# KiCad board SparkFun_IoT_RedBoard-RP2350_panelized.kicad_pcb (continued)
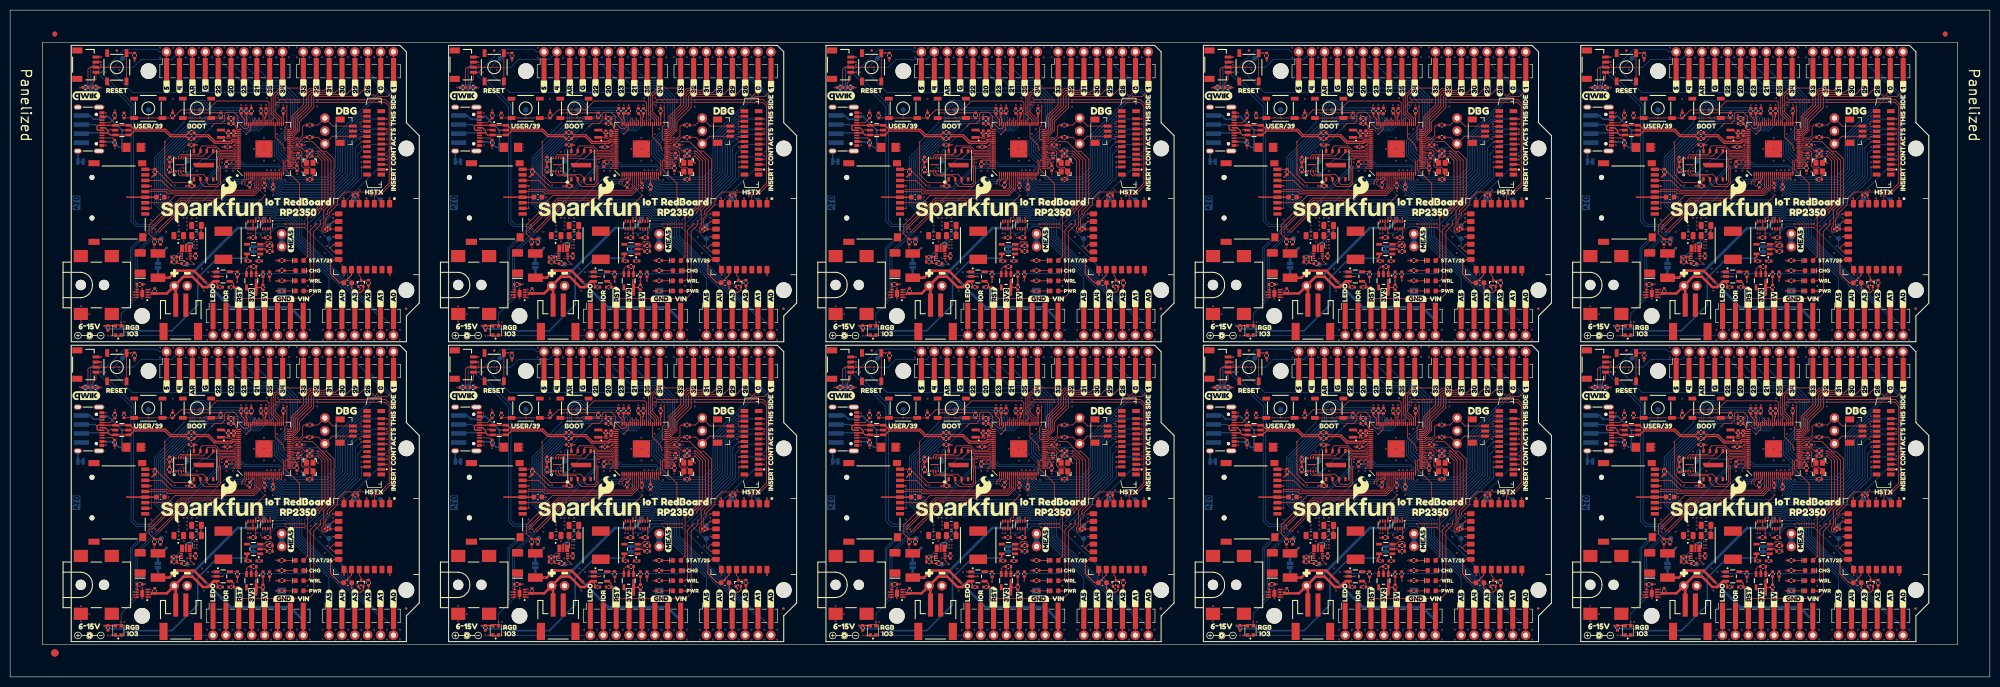
[diagram p0: board, top side]
## Placement (name value [footprint] x y rotation side) (continued)
D5  Blue  [LED_0603_1608Metric_Blue]  205.74 78.08 0 top
D5#2  Blue  [LED_0603_1608Metric_Blue]  354.46 78.08 0 top
D5#3  Blue  [LED_0603_1608Metric_Blue]  131.38 18.96 0 top
D5#4  Blue  [LED_0603_1608Metric_Blue]  57.02 78.08 0 top
D5#5  Blue  [LED_0603_1608Metric_Blue]  131.38 78.08 0 top
D5#6  Blue  [LED_0603_1608Metric_Blue]  205.74 18.96 0 top
D5#7  Blue  [LED_0603_1608Metric_Blue]  280.1 18.96 0 top
D5#8  Blue  [LED_0603_1608Metric_Blue]  354.46 18.96 0 top
D5#9  Blue  [LED_0603_1608Metric_Blue]  280.1 78.08 0 top
D5#10  Blue  [LED_0603_1608Metric_Blue]  57.02 18.96 0 top
D6  Blue  [LED_0603_1608Metric_Blue]  57.02 22.96 0 top
D6#2  Blue  [LED_0603_1608Metric_Blue]  131.38 82.08 0 top
D6#3  Blue  [LED_0603_1608Metric_Blue]  57.02 82.08 0 top
D6#4  Blue  [LED_0603_1608Metric_Blue]  131.38 22.96 0 top
D6#5  Blue  [LED_0603_1608Metric_Blue]  205.74 82.08 0 top
D6#6  Blue  [LED_0603_1608Metric_Blue]  280.1 82.08 0 top
D6#7  Blue  [LED_0603_1608Metric_Blue]  205.74 22.96 0 top
D6#8  Blue  [LED_0603_1608Metric_Blue]  280.1 22.96 0 top
D6#9  Blue  [LED_0603_1608Metric_Blue]  354.46 82.08 0 top
D6#10  Blue  [LED_0603_1608Metric_Blue]  354.46 22.96 0 top
D7  Red  [LED_0603_1608Metric_Red]  57.02 16.96 0 top
D7#2  Red  [LED_0603_1608Metric_Red]  280.1 16.96 0 top
D7#3  Red  [LED_0603_1608Metric_Red]  131.38 76.08 0 top
D7#4  Red  [LED_0603_1608Metric_Red]  205.74 16.96 0 top
D7#5  Red  [LED_0603_1608Metric_Red]  205.74 76.08 0 top
D7#6  Red  [LED_0603_1608Metric_Red]  280.1 76.08 0 top
D7#7  Red  [LED_0603_1608Metric_Red]  57.02 76.08 0 top
D7#8  Red  [LED_0603_1608Metric_Red]  131.38 16.96 0 top
D7#9  Red  [LED_0603_1608Metric_Red]  354.46 16.96 0 top
D7#10  Red  [LED_0603_1608Metric_Red]  354.46 76.08 0 top
F1  16V/2.5A/5.0A  [1812]  177.84 21.96 90 top
F1#2  16V/2.5A/5.0A  [1812]  103.48 81.08 90 top
F1#3  16V/2.5A/5.0A  [1812]  326.56 21.96 90 top
F1#4  16V/2.5A/5.0A  [1812]  103.48 21.96 90 top
F1#5  16V/2.5A/5.0A  [1812]  326.56 81.08 90 top
F1#6  16V/2.5A/5.0A  [1812]  252.2 21.96 90 top
F1#7  16V/2.5A/5.0A  [1812]  252.2 81.08 90 top
F1#8  16V/2.5A/5.0A  [1812]  29.12 81.08 90 top
F1#9  16V/2.5A/5.0A  [1812]  177.84 81.08 90 top
F1#10  16V/2.5A/5.0A  [1812]  29.12 21.96 90 top
F2  6V/0.75A/1.5A  [1206]  24.32 45.26 0 top
F2#2  6V/0.75A/1.5A  [1206]  98.68 45.26 0 top
F2#3  6V/0.75A/1.5A  [1206]  247.4 104.38 0 top
F2#4  6V/0.75A/1.5A  [1206]  24.32 104.38 0 top
F2#5  6V/0.75A/1.5A  [1206]  173.04 45.26 0 top
F2#6  6V/0.75A/1.5A  [1206]  98.68 104.38 0 top
F2#7  6V/0.75A/1.5A  [1206]  247.4 45.26 0 top
F2#8  6V/0.75A/1.5A  [1206]  173.04 104.38 0 top
F2#9  6V/0.75A/1.5A  [1206]  321.76 45.26 0 top
F2#10  6V/0.75A/1.5A  [1206]  321.76 104.38 0 top
FID1  Fiducial_0.5mm  [Fiducial_0.5mm_Mask1mm]  95.38 123.48 0 top
FID1#2  Fiducial_0.5mm  [Fiducial_0.5mm_Mask1mm]  95.38 64.36 0 top
FID1#3  Fiducial_0.5mm  [Fiducial_0.5mm_Mask1mm]  21.02 64.36 0 top
FID1#4  Fiducial_0.5mm  [Fiducial_0.5mm_Mask1mm]  169.74 123.48 0 top
FID1#5  Fiducial_0.5mm  [Fiducial_0.5mm_Mask1mm]  318.46 123.48 0 top
FID1#6  Fiducial_0.5mm  [Fiducial_0.5mm_Mask1mm]  244.1 64.36 0 top
FID1#7  Fiducial_0.5mm  [Fiducial_0.5mm_Mask1mm]  21.02 123.48 0 top
FID1#8  Fiducial_0.5mm  [Fiducial_0.5mm_Mask1mm]  244.1 123.48 0 top
FID1#9  Fiducial_0.5mm  [Fiducial_0.5mm_Mask1mm]  169.74 64.36 0 top
FID1#10  Fiducial_0.5mm  [Fiducial_0.5mm_Mask1mm]  318.46 64.36 0 top
FID2  Fiducial_0.5mm  [Fiducial_0.5mm_Mask1mm]  78.02 13.46 180 bottom
FID2#2  Fiducial_0.5mm  [Fiducial_0.5mm_Mask1mm]  301.1 13.46 180 bottom
FID2#3  Fiducial_0.5mm  [Fiducial_0.5mm_Mask1mm]  78.02 72.58 180 bottom
FID2#4  Fiducial_0.5mm  [Fiducial_0.5mm_Mask1mm]  152.38 13.46 180 bottom
FID2#5  Fiducial_0.5mm  [Fiducial_0.5mm_Mask1mm]  152.38 72.58 180 bottom
FID2#6  Fiducial_0.5mm  [Fiducial_0.5mm_Mask1mm]  226.74 13.46 180 bottom
FID2#7  Fiducial_0.5mm  [Fiducial_0.5mm_Mask1mm]  226.74 72.58 180 bottom
FID2#8  Fiducial_0.5mm  [Fiducial_0.5mm_Mask1mm]  301.1 72.58 180 bottom
FID2#9  Fiducial_0.5mm  [Fiducial_0.5mm_Mask1mm]  375.46 13.46 180 bottom
FID2#10  Fiducial_0.5mm  [Fiducial_0.5mm_Mask1mm]  375.46 72.58 180 bottom
FID3  Fiducial_0.5mm  [Fiducial_0.5mm_Mask1mm]  21.02 64.36 180 bottom
FID3#2  Fiducial_0.5mm  [Fiducial_0.5mm_Mask1mm]  21.02 123.48 180 bottom
FID3#3  Fiducial_0.5mm  [Fiducial_0.5mm_Mask1mm]  169.74 64.36 180 bottom
FID3#4  Fiducial_0.5mm  [Fiducial_0.5mm_Mask1mm]  95.38 64.36 180 bottom
FID3#5  Fiducial_0.5mm  [Fiducial_0.5mm_Mask1mm]  95.38 123.48 180 bottom
FID3#6  Fiducial_0.5mm  [Fiducial_0.5mm_Mask1mm]  169.74 123.48 180 bottom
FID3#7  Fiducial_0.5mm  [Fiducial_0.5mm_Mask1mm]  244.1 64.36 180 bottom
FID3#8  Fiducial_0.5mm  [Fiducial_0.5mm_Mask1mm]  244.1 123.48 180 bottom
FID3#9  Fiducial_0.5mm  [Fiducial_0.5mm_Mask1mm]  318.46 64.36 180 bottom
FID3#10  Fiducial_0.5mm  [Fiducial_0.5mm_Mask1mm]  318.46 123.48 180 bottom
FID4  Fiducial_0.5mm  [Fiducial_0.5mm_Mask1mm]  78.02 13.46 0 top
FID4#2  Fiducial_0.5mm  [Fiducial_0.5mm_Mask1mm]  152.38 13.46 0 top
FID4#3  Fiducial_0.5mm  [Fiducial_0.5mm_Mask1mm]  226.74 13.46 0 top
FID4#4  Fiducial_0.5mm  [Fiducial_0.5mm_Mask1mm]  78.02 72.58 0 top
FID4#5  Fiducial_0.5mm  [Fiducial_0.5mm_Mask1mm]  152.38 72.58 0 top
FID4#6  Fiducial_0.5mm  [Fiducial_0.5mm_Mask1mm]  301.1 72.58 0 top
FID4#7  Fiducial_0.5mm  [Fiducial_0.5mm_Mask1mm]  301.1 13.46 0 top
FID4#8  Fiducial_0.5mm  [Fiducial_0.5mm_Mask1mm]  375.46 13.46 0 top
FID4#9  Fiducial_0.5mm  [Fiducial_0.5mm_Mask1mm]  226.74 72.58 0 top
FID4#10  Fiducial_0.5mm  [Fiducial_0.5mm_Mask1mm]  375.46 72.58 0 top
G3  OSHW_Logo  [Creative_Commons_License]  111.71 -37.49 0 top
G***  LOGO  [qwiic_5.5mm]  15.02 55.46 0 top
G***#2  LOGO  [qwiic_5.5mm]  238.1 55.46 0 top
G***#3  LOGO  [qwiic_5.5mm]  15.02 114.58 0 top
G***#4  LOGO  [qwiic_5.5mm]  89.38 114.58 0 top
G***#5  LOGO  [qwiic_5.5mm]  163.74 55.46 0 top
G***#6  LOGO  [qwiic_5.5mm]  89.38 55.46 0 top
G***#7  LOGO  [qwiic_5.5mm]  163.74 114.58 0 top
G***#8  LOGO  [qwiic_5.5mm]  312.46 55.46 0 top
G***#9  LOGO  [qwiic_5.5mm]  312.46 114.58 0 top
G***#10  LOGO  [qwiic_5.5mm]  238.1 114.58 0 top
G***#11  LOGO  [SparkFun_Logo_20mm]  39.42 33.16 0 top
G***#12  LOGO  [SparkFun_Logo_20mm]  113.78 92.28 0 top
G***#13  LOGO  [SparkFun_Logo_20mm]  113.78 33.16 0 top
G***#14  LOGO  [SparkFun_Logo_20mm]  188.14 33.16 0 top
G***#15  LOGO  [SparkFun_Logo_20mm]  39.42 92.28 0 top
G***#16  LOGO  [SparkFun_Logo_20mm]  262.5 33.16 0 top
G***#17  LOGO  [SparkFun_Logo_20mm]  262.5 92.28 0 top
G***#18  LOGO  [SparkFun_Logo_20mm]  336.86 33.16 0 top
G***#19  LOGO  [SparkFun_Logo_20mm]  188.14 92.28 0 top
G***#20  LOGO  [SparkFun_Logo_20mm]  336.86 92.28 0 top
G***#21  Redboard  [REDBOARD_LOGO]  47.62 35.62 180 bottom
G***#22  Redboard  [REDBOARD_LOGO]  47.62 94.74 180 bottom
G***#23  Redboard  [REDBOARD_LOGO]  121.98 94.74 180 bottom
G***#24  Redboard  [REDBOARD_LOGO]  196.34 35.62 180 bottom
G***#25  Redboard  [REDBOARD_LOGO]  196.34 94.74 180 bottom
G***#26  Redboard  [REDBOARD_LOGO]  121.98 35.62 180 bottom
G***#27  Redboard  [REDBOARD_LOGO]  345.06 35.62 180 bottom
G***#28  Redboard  [REDBOARD_LOGO]  270.7 94.74 180 bottom
G***#29  Redboard  [REDBOARD_LOGO]  270.7 35.62 180 bottom
G***#30  Redboard  [REDBOARD_LOGO]  345.06 94.74 180 bottom
G***#31  LOGO  [SparkFun_Logo_20mm]  48.42 44.96 180 bottom
G***#32  LOGO  [SparkFun_Logo_20mm]  197.14 44.96 180 bottom
G***#33  LOGO  [SparkFun_Logo_20mm]  48.42 104.08 180 bottom
G***#34  LOGO  [SparkFun_Logo_20mm]  122.78 44.96 180 bottom
G***#35  LOGO  [SparkFun_Logo_20mm]  122.78 104.08 180 bottom
G***#36  LOGO  [SparkFun_Logo_20mm]  345.86 104.08 180 bottom
G***#37  LOGO  [SparkFun_Logo_20mm]  271.5 44.96 180 bottom
G***#38  LOGO  [SparkFun_Logo_20mm]  345.86 44.96 180 bottom
G***#39  LOGO  [SparkFun_Logo_20mm]  197.14 104.08 180 bottom
G***#40  LOGO  [SparkFun_Logo_20mm]  271.5 104.08 180 bottom
H1  -  [RedBoard]  195.04 36.16 0 top
H1#2  -  [RedBoard]  269.4 36.16 0 top
H1#3  -  [RedBoard]  343.76 36.16 0 top
H1#4  -  [RedBoard]  120.68 36.16 0 top
H1#5  -  [RedBoard]  46.32 95.28 0 top
H1#6  -  [RedBoard]  120.68 95.28 0 top
H1#7  -  [RedBoard]  195.04 95.28 0 top
H1#8  -  [RedBoard]  269.4 95.28 0 top
H1#9  -  [RedBoard]  343.76 95.28 0 top
H1#10  -  [RedBoard]  46.32 36.16 0 top
J1  Conn_01x08_SMD_Combined  [1x08_SMD_Combined]  346.3 71.15 90 top
J1#2  Conn_01x08_SMD_Combined  [1x08_SMD_Combined]  271.94 12.03 90 top
J1#3  Conn_01x08_SMD_Combined  [1x08_SMD_Combined]  48.86 71.15 90 top
J1#4  Conn_01x08_SMD_Combined  [1x08_SMD_Combined]  197.58 71.15 90 top
J1#5  Conn_01x08_SMD_Combined  [1x08_SMD_Combined]  123.22 71.15 90 top
J1#6  Conn_01x08_SMD_Combined  [1x08_SMD_Combined]  197.58 12.03 90 top
J1#7  Conn_01x08_SMD_Combined  [1x08_SMD_Combined]  123.22 12.03 90 top
J1#8  Conn_01x08_SMD_Combined  [1x08_SMD_Combined]  271.94 71.15 90 top
J1#9  Conn_01x08_SMD_Combined  [1x08_SMD_Combined]  346.3 12.03 90 top
J1#10  Conn_01x08_SMD_Combined  [1x08_SMD_Combined]  48.86 12.03 90 top
J2  Conn_01x06_SMD_Combined  [1x06_SMD_Combined]  69.18 12.03 90 top
J2#2  Conn_01x06_SMD_Combined  [1x06_SMD_Combined]  217.9 12.03 90 top
J2#3  Conn_01x06_SMD_Combined  [1x06_SMD_Combined]  292.26 12.03 90 top
J2#4  Conn_01x06_SMD_Combined  [1x06_SMD_Combined]  69.18 71.15 90 top
J2#5  Conn_01x06_SMD_Combined  [1x06_SMD_Combined]  143.54 12.03 90 top
J2#6  Conn_01x06_SMD_Combined  [1x06_SMD_Combined]  143.54 71.15 90 top
J2#7  Conn_01x06_SMD_Combined  [1x06_SMD_Combined]  217.9 71.15 90 top
J2#8  Conn_01x06_SMD_Combined  [1x06_SMD_Combined]  292.26 71.15 90 top
J2#9  Conn_01x06_SMD_Combined  [1x06_SMD_Combined]  366.62 12.03 90 top
J2#10  Conn_01x06_SMD_Combined  [1x06_SMD_Combined]  366.62 71.15 90 top
J3  Barrel_Jack_SMD  [Power_Jack_SMD]  13.92 18.14 0 top
J3#2  Barrel_Jack_SMD  [Power_Jack_SMD]  162.64 77.26 0 top
J3#3  Barrel_Jack_SMD  [Power_Jack_SMD]  88.29 77.26 0 top
J3#4  Barrel_Jack_SMD  [Power_Jack_SMD]  162.64 18.14 0 top
J3#5  Barrel_Jack_SMD  [Power_Jack_SMD]  13.92 77.26 0 top
J3#6  Barrel_Jack_SMD  [Power_Jack_SMD]  88.29 18.14 0 top
J3#7  Barrel_Jack_SMD  [Power_Jack_SMD]  311.37 18.14 0 top
J3#8  Barrel_Jack_SMD  [Power_Jack_SMD]  237 77.26 0 top
J3#9  Barrel_Jack_SMD  [Power_Jack_SMD]  311.37 77.26 0 top
J3#10  Barrel_Jack_SMD  [Power_Jack_SMD]  237 18.14 0 top
J4  USB_C_Receptacle  [USB-C_16]  18.43 48.87 270 top
J4#2  USB_C_Receptacle  [USB-C_16]  92.79 48.87 270 top
J4#3  USB_C_Receptacle  [USB-C_16]  241.51 48.87 270 top
J4#4  USB_C_Receptacle  [USB-C_16]  18.43 107.99 270 top
J4#5  USB_C_Receptacle  [USB-C_16]  167.15 107.99 270 top
J4#6  USB_C_Receptacle  [USB-C_16]  92.79 107.99 270 top
J4#7  USB_C_Receptacle  [USB-C_16]  315.87 107.99 270 top
J4#8  USB_C_Receptacle  [USB-C_16]  167.15 48.87 270 top
J4#9  USB_C_Receptacle  [USB-C_16]  241.51 107.99 270 top
J4#10  USB_C_Receptacle  [USB-C_16]  315.87 48.87 270 top
J5  Conn_01x04_SolderPads  [1x04_Solder_Pads]  14.02 48.87 180 bottom
J5#2  Conn_01x04_SolderPads  [1x04_Solder_Pads]  88.38 107.99 180 bottom
J5#3  Conn_01x04_SolderPads  [1x04_Solder_Pads]  14.02 107.99 180 bottom
J5#4  Conn_01x04_SolderPads  [1x04_Solder_Pads]  88.38 48.87 180 bottom
J5#5  Conn_01x04_SolderPads  [1x04_Solder_Pads]  237.1 48.87 180 bottom
J5#6  Conn_01x04_SolderPads  [1x04_Solder_Pads]  162.74 48.87 180 bottom
J5#7  Conn_01x04_SolderPads  [1x04_Solder_Pads]  162.74 107.99 180 bottom
J5#8  Conn_01x04_SolderPads  [1x04_Solder_Pads]  237.1 107.99 180 bottom
J5#9  Conn_01x04_SolderPads  [1x04_Solder_Pads]  311.46 107.99 180 bottom
J5#10  Conn_01x04_SolderPads  [1x04_Solder_Pads]  311.46 48.87 180 bottom
J6  Conn_01x02  [1x02]  32.35 17.96 0 top
J6#2  Conn_01x02  [1x02]  106.71 17.96 0 top
J6#3  Conn_01x02  [1x02]  181.07 77.08 0 top
J6#4  Conn_01x02  [1x02]  255.43 77.08 0 top
J6#5  Conn_01x02  [1x02]  32.35 77.08 0 top
J6#6  Conn_01x02  [1x02]  106.71 77.08 0 top
J6#7  Conn_01x02  [1x02]  181.07 17.96 0 top
J6#8  Conn_01x02  [1x02]  255.43 17.96 0 top
J6#9  Conn_01x02  [1x02]  329.79 77.08 0 top
J6#10  Conn_01x02  [1x02]  329.79 17.96 0 top
J7  JST_2mm_LiPo  [JST_SMD_2.0mm-2]  33.62 10.46 180 top
J7#2  JST_2mm_LiPo  [JST_SMD_2.0mm-2]  182.34 10.46 180 top
J7#3  JST_2mm_LiPo  [JST_SMD_2.0mm-2]  107.98 69.58 180 top
J7#4  JST_2mm_LiPo  [JST_SMD_2.0mm-2]  33.62 69.58 180 top
J7#5  JST_2mm_LiPo  [JST_SMD_2.0mm-2]  107.98 10.46 180 top
J7#6  JST_2mm_LiPo  [JST_SMD_2.0mm-2]  182.34 69.58 180 top
J7#7  JST_2mm_LiPo  [JST_SMD_2.0mm-2]  256.7 10.46 180 top
J7#8  JST_2mm_LiPo  [JST_SMD_2.0mm-2]  256.7 69.58 180 top
J7#9  JST_2mm_LiPo  [JST_SMD_2.0mm-2]  331.06 10.46 180 top
J7#10  JST_2mm_LiPo  [JST_SMD_2.0mm-2]  331.06 69.58 180 top
J8  Conn_01x10_SMD_Combined  [1x10_SMD_Combined]  42.26 60.3 90 top
J8#2  Conn_01x10_SMD_Combined  [1x10_SMD_Combined]  116.62 119.42 90 top
J8#3  Conn_01x10_SMD_Combined  [1x10_SMD_Combined]  42.26 119.42 90 top
J8#4  Conn_01x10_SMD_Combined  [1x10_SMD_Combined]  116.62 60.3 90 top
J8#5  Conn_01x10_SMD_Combined  [1x10_SMD_Combined]  190.98 119.42 90 top
J8#6  Conn_01x10_SMD_Combined  [1x10_SMD_Combined]  265.34 60.3 90 top
J8#7  Conn_01x10_SMD_Combined  [1x10_SMD_Combined]  190.98 60.3 90 top
J8#8  Conn_01x10_SMD_Combined  [1x10_SMD_Combined]  339.7 60.3 90 top
J8#9  Conn_01x10_SMD_Combined  [1x10_SMD_Combined]  339.7 119.42 90 top
J8#10  Conn_01x10_SMD_Combined  [1x10_SMD_Combined]  265.34 119.42 90 top
J9  Conn_01x08_SMD_Combined  [1x08_SMD_Combined]  66.67 60.3 90 top
J9#2  Conn_01x08_SMD_Combined  [1x08_SMD_Combined]  215.39 60.3 90 top
J9#3  Conn_01x08_SMD_Combined  [1x08_SMD_Combined]  289.75 60.3 90 top
J9#4  Conn_01x08_SMD_Combined  [1x08_SMD_Combined]  66.67 119.42 90 top
J9#5  Conn_01x08_SMD_Combined  [1x08_SMD_Combined]  289.75 119.42 90 top
J9#6  Conn_01x08_SMD_Combined  [1x08_SMD_Combined]  141.03 60.3 90 top
J9#7  Conn_01x08_SMD_Combined  [1x08_SMD_Combined]  141.03 119.42 90 top
J9#8  Conn_01x08_SMD_Combined  [1x08_SMD_Combined]  215.39 119.42 90 top
J9#9  Conn_01x08_SMD_Combined  [1x08_SMD_Combined]  364.11 60.3 90 top
J9#10  Conn_01x08_SMD_Combined  [1x08_SMD_Combined]  364.11 119.42 90 top
J10  Conn_01x03  [1x03]  136.38 105.08 90 top
J10#2  Conn_01x03  [1x03]  62.02 105.08 90 top
J10#3  Conn_01x03  [1x03]  136.38 45.96 90 top
J10#4  Conn_01x03  [1x03]  285.1 105.08 90 top
J10#5  Conn_01x03  [1x03]  359.46 105.08 90 top
J10#6  Conn_01x03  [1x03]  210.74 105.08 90 top
J10#7  Conn_01x03  [1x03]  285.1 45.96 90 top
J10#8  Conn_01x03  [1x03]  210.74 45.96 90 top
J10#9  Conn_01x03  [1x03]  359.46 45.96 90 top
J10#10  Conn_01x03  [1x03]  62.02 45.96 90 top
J11  Conn_01x22_FPC_0.5mm_HSTX_Vertical  [FPC_0.5mm-22_Vertical]  71.72 46.16 90 top
J11#2  Conn_01x22_FPC_0.5mm_HSTX_Vertical  [FPC_0.5mm-22_Vertical]  220.44 105.28 90 top
J11#3  Conn_01x22_FPC_0.5mm_HSTX_Vertical  [FPC_0.5mm-22_Vertical]  71.72 105.28 90 top
J11#4  Conn_01x22_FPC_0.5mm_HSTX_Vertical  [FPC_0.5mm-22_Vertical]  146.08 46.16 90 top
J11#5  Conn_01x22_FPC_0.5mm_HSTX_Vertical  [FPC_0.5mm-22_Vertical]  146.08 105.28 90 top
J11#6  Conn_01x22_FPC_0.5mm_HSTX_Vertical  [FPC_0.5mm-22_Vertical]  220.44 46.16 90 top
J11#7  Conn_01x22_FPC_0.5mm_HSTX_Vertical  [FPC_0.5mm-22_Vertical]  369.16 105.28 90 top
J11#8  Conn_01x22_FPC_0.5mm_HSTX_Vertical  [FPC_0.5mm-22_Vertical]  294.8 46.16 90 top
J11#9  Conn_01x22_FPC_0.5mm_HSTX_Vertical  [FPC_0.5mm-22_Vertical]  294.8 105.28 90 top
J11#10  Conn_01x22_FPC_0.5mm_HSTX_Vertical  [FPC_0.5mm-22_Vertical]  369.16 46.16 90 top
J12  JST_1mm_3_Vertical  [JST_SMD_1.0mm-3_Vertical]  138.48 107.58 90 top
J12#2  JST_1mm_3_Vertical  [JST_SMD_1.0mm-3_Vertical]  64.12 107.58 90 top
J12#3  JST_1mm_3_Vertical  [JST_SMD_1.0mm-3_Vertical]  287.2 48.46 90 top
J12#4  JST_1mm_3_Vertical  [JST_SMD_1.0mm-3_Vertical]  138.48 48.46 90 top
J12#5  JST_1mm_3_Vertical  [JST_SMD_1.0mm-3_Vertical]  212.84 48.46 90 top
J12#6  JST_1mm_3_Vertical  [JST_SMD_1.0mm-3_Vertical]  212.84 107.58 90 top
J12#7  JST_1mm_3_Vertical  [JST_SMD_1.0mm-3_Vertical]  361.56 48.46 90 top
J12#8  JST_1mm_3_Vertical  [JST_SMD_1.0mm-3_Vertical]  287.2 107.58 90 top
J12#9  JST_1mm_3_Vertical  [JST_SMD_1.0mm-3_Vertical]  361.56 107.58 90 top
J12#10  JST_1mm_3_Vertical  [JST_SMD_1.0mm-3_Vertical]  64.12 48.46 90 top
J13  Qwiic_RA  [JST_SMD_1.0mm-4_RA]  16.91 61.57 270 top
J13#2  Qwiic_RA  [JST_SMD_1.0mm-4_RA]  165.63 61.57 270 top
J13#3  Qwiic_RA  [JST_SMD_1.0mm-4_RA]  314.35 120.69 270 top
J13#4  Qwiic_RA  [JST_SMD_1.0mm-4_RA]  91.27 61.57 270 top
J13#5  Qwiic_RA  [JST_SMD_1.0mm-4_RA]  314.35 61.57 270 top
J13#6  Qwiic_RA  [JST_SMD_1.0mm-4_RA]  16.91 120.69 270 top
J13#7  Qwiic_RA  [JST_SMD_1.0mm-4_RA]  91.27 120.69 270 top
J13#8  Qwiic_RA  [JST_SMD_1.0mm-4_RA]  239.99 120.69 270 top
J13#9  Qwiic_RA  [JST_SMD_1.0mm-4_RA]  165.63 120.69 270 top
J13#10  Qwiic_RA  [JST_SMD_1.0mm-4_RA]  239.99 61.57 270 top
J14  microSD  [microSD_External_Pin]  16.12 34.39 270 top
J14#2  microSD  [microSD_External_Pin]  16.12 93.51 270 top
J14#3  microSD  [microSD_External_Pin]  164.84 34.39 270 top
J14#4  microSD  [microSD_External_Pin]  164.84 93.51 270 top
J14#5  microSD  [microSD_External_Pin]  90.48 34.39 270 top
J14#6  microSD  [microSD_External_Pin]  90.48 93.51 270 top
J14#7  microSD  [microSD_External_Pin]  239.2 34.39 270 top
J14#8  microSD  [microSD_External_Pin]  313.56 34.39 270 top
J14#9  microSD  [microSD_External_Pin]  239.2 93.51 270 top
J14#10  microSD  [microSD_External_Pin]  313.56 93.51 270 top
JP1  SHLD  [Jumper_2_NC_Trace]  13.87 42.46 0 bottom
JP1#2  SHLD  [Jumper_2_NC_Trace]  236.95 101.58 0 bottom
JP1#3  SHLD  [Jumper_2_NC_Trace]  236.95 42.46 0 bottom
JP1#4  SHLD  [Jumper_2_NC_Trace]  162.59 101.58 0 bottom
JP1#5  SHLD  [Jumper_2_NC_Trace]  88.23 42.46 0 bottom
JP1#6  SHLD  [Jumper_2_NC_Trace]  88.23 101.58 0 bottom
JP1#7  SHLD  [Jumper_2_NC_Trace]  162.59 42.46 0 bottom
JP1#8  SHLD  [Jumper_2_NC_Trace]  13.87 101.58 0 bottom
JP1#9  SHLD  [Jumper_2_NC_Trace]  311.31 42.46 0 bottom
JP1#10  SHLD  [Jumper_2_NC_Trace]  311.31 101.58 0 bottom
JP2  BYP  [Jumper_2_NO]  29.12 21.96 90 bottom
JP2#2  BYP  [Jumper_2_NO]  103.48 21.96 90 bottom
JP2#3  BYP  [Jumper_2_NO]  29.12 81.08 90 bottom
JP2#4  BYP  [Jumper_2_NO]  326.56 81.08 90 bottom
JP2#5  BYP  [Jumper_2_NO]  177.84 21.96 90 bottom
JP2#6  BYP  [Jumper_2_NO]  103.48 81.08 90 bottom
JP2#7  BYP  [Jumper_2_NO]  177.84 81.08 90 bottom
JP2#8  BYP  [Jumper_2_NO]  252.2 21.96 90 bottom
JP2#9  BYP  [Jumper_2_NO]  252.2 81.08 90 bottom
JP2#10  BYP  [Jumper_2_NO]  326.56 21.96 90 bottom
JP3  I^{2}C  [Jumper_3_NC-2_Trace]  15.89 57.06 0 bottom
JP3#2  I^{2}C  [Jumper_3_NC-2_Trace]  164.61 116.18 0 bottom
JP3#3  I^{2}C  [Jumper_3_NC-2_Trace]  313.33 57.06 0 bottom
JP3#4  I^{2}C  [Jumper_3_NC-2_Trace]  90.25 116.18 0 bottom
JP3#5  I^{2}C  [Jumper_3_NC-2_Trace]  90.25 57.06 0 bottom
JP3#6  I^{2}C  [Jumper_3_NC-2_Trace]  15.89 116.18 0 bottom
JP3#7  I^{2}C  [Jumper_3_NC-2_Trace]  164.61 57.06 0 bottom
JP3#8  I^{2}C  [Jumper_3_NC-2_Trace]  238.97 57.06 0 bottom
JP3#9  I^{2}C  [Jumper_3_NC-2_Trace]  238.97 116.18 0 bottom
JP3#10  I^{2}C  [Jumper_3_NC-2_Trace]  313.33 116.18 0 bottom
JP4  MEAS  [Jumper_2_PTH_SMD_Combo-NC]  53.52 26.96 270 bottom
JP4#2  MEAS  [Jumper_2_PTH_SMD_Combo-NC]  202.24 26.96 270 bottom
JP4#3  MEAS  [Jumper_2_PTH_SMD_Combo-NC]  127.88 26.96 270 bottom
JP4#4  MEAS  [Jumper_2_PTH_SMD_Combo-NC]  127.88 86.08 270 bottom
JP4#5  MEAS  [Jumper_2_PTH_SMD_Combo-NC]  53.52 86.08 270 bottom
JP4#6  MEAS  [Jumper_2_PTH_SMD_Combo-NC]  276.6 86.08 270 bottom
JP4#7  MEAS  [Jumper_2_PTH_SMD_Combo-NC]  276.6 26.96 270 bottom
JP4#8  MEAS  [Jumper_2_PTH_SMD_Combo-NC]  350.96 86.08 270 bottom
JP4#9  MEAS  [Jumper_2_PTH_SMD_Combo-NC]  202.24 86.08 270 bottom
JP4#10  MEAS  [Jumper_2_PTH_SMD_Combo-NC]  350.96 26.96 270 bottom
JP5  LP  [Jumper_2_NC_Trace]  47.97 25.21 90 bottom
JP5#2  LP  [Jumper_2_NC_Trace]  122.33 25.21 90 bottom
JP5#3  LP  [Jumper_2_NC_Trace]  47.97 84.33 90 bottom
JP5#4  LP  [Jumper_2_NC_Trace]  196.69 25.21 90 bottom
JP5#5  LP  [Jumper_2_NC_Trace]  196.69 84.33 90 bottom
JP5#6  LP  [Jumper_2_NC_Trace]  271.05 84.33 90 bottom
JP5#7  LP  [Jumper_2_NC_Trace]  122.33 84.33 90 bottom
JP5#8  LP  [Jumper_2_NC_Trace]  271.05 25.21 90 bottom
JP5#9  LP  [Jumper_2_NC_Trace]  345.41 25.21 90 bottom
JP5#10  LP  [Jumper_2_NC_Trace]  345.41 84.33 90 bottom
JP6  PWR  [Jumper_2_NC_Trace]  53.52 16.96 180 bottom
JP6#2  PWR  [Jumper_2_NC_Trace]  53.52 76.08 180 bottom
JP6#3  PWR  [Jumper_2_NC_Trace]  127.88 76.08 180 bottom
JP6#4  PWR  [Jumper_2_NC_Trace]  127.88 16.96 180 bottom
JP6#5  PWR  [Jumper_2_NC_Trace]  350.96 16.96 180 bottom
JP6#6  PWR  [Jumper_2_NC_Trace]  276.6 16.96 180 bottom
JP6#7  PWR  [Jumper_2_NC_Trace]  202.24 76.08 180 bottom
JP6#8  PWR  [Jumper_2_NC_Trace]  276.6 76.08 180 bottom
JP6#9  PWR  [Jumper_2_NC_Trace]  202.24 16.96 180 bottom
JP6#10  PWR  [Jumper_2_NC_Trace]  350.96 76.08 180 bottom
kibuzzard-67A3E0D1  G***  [kibuzzard-67A3E0D1]  75.57 57.21 90 top
kibuzzard-67A3E0D1#2  G***  [kibuzzard-67A3E0D1]  75.57 116.33 90 top
kibuzzard-67A3E0D1#3  G***  [kibuzzard-67A3E0D1]  298.65 116.33 90 top
kibuzzard-67A3E0D1#4  G***  [kibuzzard-67A3E0D1]  149.93 57.21 90 top
kibuzzard-67A3E0D1#5  G***  [kibuzzard-67A3E0D1]  224.29 57.21 90 top
kibuzzard-67A3E0D1#6  G***  [kibuzzard-67A3E0D1]  298.65 57.21 90 top
kibuzzard-67A3E0D1#7  G***  [kibuzzard-67A3E0D1]  149.93 116.33 90 top
kibuzzard-67A3E0D1#8  G***  [kibuzzard-67A3E0D1]  224.29 116.33 90 top
kibuzzard-67A3E0D1#9  G***  [kibuzzard-67A3E0D1]  373.01 116.33 90 top
kibuzzard-67A3E0D1#10  G***  [kibuzzard-67A3E0D1]  373.01 57.21 90 top
kibuzzard-67A3E1A1  G***  [kibuzzard-67A3E1A1]  53.67 56.96 90 top
kibuzzard-67A3E1A1#2  G***  [kibuzzard-67A3E1A1]  128.03 116.08 90 top
kibuzzard-67A3E1A1#3  G***  [kibuzzard-67A3E1A1]  276.75 56.96 90 top
kibuzzard-67A3E1A1#4  G***  [kibuzzard-67A3E1A1]  53.67 116.08 90 top
kibuzzard-67A3E1A1#5  G***  [kibuzzard-67A3E1A1]  128.03 56.96 90 top
kibuzzard-67A3E1A1#6  G***  [kibuzzard-67A3E1A1]  202.39 56.96 90 top
kibuzzard-67A3E1A1#7  G***  [kibuzzard-67A3E1A1]  202.39 116.08 90 top
kibuzzard-67A3E1A1#8  G***  [kibuzzard-67A3E1A1]  351.11 116.08 90 top
kibuzzard-67A3E1A1#9  G***  [kibuzzard-67A3E1A1]  351.11 56.96 90 top
kibuzzard-67A3E1A1#10  G***  [kibuzzard-67A3E1A1]  276.75 116.08 90 top
kibuzzard-67A3E1A7  G***  [kibuzzard-67A3E1A7]  51.17 56.96 90 top
kibuzzard-67A3E1A7#2  G***  [kibuzzard-67A3E1A7]  348.61 116.08 90 top
kibuzzard-67A3E1A7#3  G***  [kibuzzard-67A3E1A7]  348.61 56.96 90 top
kibuzzard-67A3E1A7#4  G***  [kibuzzard-67A3E1A7]  274.25 56.96 90 top
kibuzzard-67A3E1A7#5  G***  [kibuzzard-67A3E1A7]  274.25 116.08 90 top
kibuzzard-67A3E1A7#6  G***  [kibuzzard-67A3E1A7]  125.53 56.96 90 top
kibuzzard-67A3E1A7#7  G***  [kibuzzard-67A3E1A7]  51.17 116.08 90 top
kibuzzard-67A3E1A7#8  G***  [kibuzzard-67A3E1A7]  125.53 116.08 90 top
kibuzzard-67A3E1A7#9  G***  [kibuzzard-67A3E1A7]  199.89 56.96 90 top
kibuzzard-67A3E1A7#10  G***  [kibuzzard-67A3E1A7]  199.89 116.08 90 top
kibuzzard-67A3E1AE  G***  [kibuzzard-67A3E1AE]  48.62 56.96 90 top
kibuzzard-67A3E1AE#2  G***  [kibuzzard-67A3E1AE]  48.62 116.08 90 top
kibuzzard-67A3E1AE#3  G***  [kibuzzard-67A3E1AE]  197.34 56.96 90 top
kibuzzard-67A3E1AE#4  G***  [kibuzzard-67A3E1AE]  122.98 56.96 90 top
kibuzzard-67A3E1AE#5  G***  [kibuzzard-67A3E1AE]  122.98 116.08 90 top
kibuzzard-67A3E1AE#6  G***  [kibuzzard-67A3E1AE]  346.06 116.08 90 top
kibuzzard-67A3E1AE#7  G***  [kibuzzard-67A3E1AE]  197.34 116.08 90 top
kibuzzard-67A3E1AE#8  G***  [kibuzzard-67A3E1AE]  271.7 56.96 90 top
kibuzzard-67A3E1AE#9  G***  [kibuzzard-67A3E1AE]  271.7 116.08 90 top
kibuzzard-67A3E1AE#10  G***  [kibuzzard-67A3E1AE]  346.06 56.96 90 top
kibuzzard-67A3E1B5  G***  [kibuzzard-67A3E1B5]  46.07 56.96 90 top
kibuzzard-67A3E1B5#2  G***  [kibuzzard-67A3E1B5]  194.79 116.08 90 top
kibuzzard-67A3E1B5#3  G***  [kibuzzard-67A3E1B5]  46.07 116.08 90 top
kibuzzard-67A3E1B5#4  G***  [kibuzzard-67A3E1B5]  120.43 116.08 90 top
kibuzzard-67A3E1B5#5  G***  [kibuzzard-67A3E1B5]  194.79 56.96 90 top
kibuzzard-67A3E1B5#6  G***  [kibuzzard-67A3E1B5]  120.43 56.96 90 top
kibuzzard-67A3E1B5#7  G***  [kibuzzard-67A3E1B5]  269.15 116.08 90 top
kibuzzard-67A3E1B5#8  G***  [kibuzzard-67A3E1B5]  343.51 56.96 90 top
kibuzzard-67A3E1B5#9  G***  [kibuzzard-67A3E1B5]  343.51 116.08 90 top
kibuzzard-67A3E1B5#10  G***  [kibuzzard-67A3E1B5]  269.15 56.96 90 top
kibuzzard-67A3E1BE  G***  [kibuzzard-67A3E1BE]  117.88 116.08 90 top
kibuzzard-67A3E1BE#2  G***  [kibuzzard-67A3E1BE]  43.52 116.08 90 top
kibuzzard-67A3E1BE#3  G***  [kibuzzard-67A3E1BE]  117.88 56.96 90 top
kibuzzard-67A3E1BE#4  G***  [kibuzzard-67A3E1BE]  266.6 116.08 90 top
kibuzzard-67A3E1BE#5  G***  [kibuzzard-67A3E1BE]  192.24 116.08 90 top
kibuzzard-67A3E1BE#6  G***  [kibuzzard-67A3E1BE]  192.24 56.96 90 top
kibuzzard-67A3E1BE#7  G***  [kibuzzard-67A3E1BE]  266.6 56.96 90 top
kibuzzard-67A3E1BE#8  G***  [kibuzzard-67A3E1BE]  340.96 56.96 90 top
kibuzzard-67A3E1BE#9  G***  [kibuzzard-67A3E1BE]  340.96 116.08 90 top
kibuzzard-67A3E1BE#10  G***  [kibuzzard-67A3E1BE]  43.52 56.96 90 top
kibuzzard-67A3E1C5  G***  [kibuzzard-67A3E1C5]  40.97 56.96 90 top
kibuzzard-67A3E1C5#2  G***  [kibuzzard-67A3E1C5]  115.33 116.08 90 top
kibuzzard-67A3E1C5#3  G***  [kibuzzard-67A3E1C5]  189.69 116.08 90 top
kibuzzard-67A3E1C5#4  G***  [kibuzzard-67A3E1C5]  40.97 116.08 90 top
kibuzzard-67A3E1C5#5  G***  [kibuzzard-67A3E1C5]  115.33 56.96 90 top
kibuzzard-67A3E1C5#6  G***  [kibuzzard-67A3E1C5]  264.05 116.08 90 top
kibuzzard-67A3E1C5#7  G***  [kibuzzard-67A3E1C5]  338.41 116.08 90 top
kibuzzard-67A3E1C5#8  G***  [kibuzzard-67A3E1C5]  189.69 56.96 90 top
kibuzzard-67A3E1C5#9  G***  [kibuzzard-67A3E1C5]  338.41 56.96 90 top
kibuzzard-67A3E1C5#10  G***  [kibuzzard-67A3E1C5]  264.05 56.96 90 top
kibuzzard-67A3E1CD  G***  [kibuzzard-67A3E1CD]  38.47 57.46 90 top
kibuzzard-67A3E1CD#2  G***  [kibuzzard-67A3E1CD]  112.83 57.46 90 top
kibuzzard-67A3E1CD#3  G***  [kibuzzard-67A3E1CD]  38.47 116.58 90 top
kibuzzard-67A3E1CD#4  G***  [kibuzzard-67A3E1CD]  187.19 116.58 90 top
kibuzzard-67A3E1CD#5  G***  [kibuzzard-67A3E1CD]  335.91 57.46 90 top
kibuzzard-67A3E1CD#6  G***  [kibuzzard-67A3E1CD]  112.83 116.58 90 top
kibuzzard-67A3E1CD#7  G***  [kibuzzard-67A3E1CD]  335.91 116.58 90 top
kibuzzard-67A3E1CD#8  G***  [kibuzzard-67A3E1CD]  187.19 57.46 90 top
kibuzzard-67A3E1CD#9  G***  [kibuzzard-67A3E1CD]  261.55 57.46 90 top
kibuzzard-67A3E1CD#10  G***  [kibuzzard-67A3E1CD]  261.55 116.58 90 top
kibuzzard-67A3E1E0  G***  [kibuzzard-67A3E1E0]  110.28 57.06 90 top
kibuzzard-67A3E1E0#2  G***  [kibuzzard-67A3E1E0]  333.36 116.18 90 top
kibuzzard-67A3E1E0#3  G***  [kibuzzard-67A3E1E0]  35.92 116.18 90 top
kibuzzard-67A3E1E0#4  G***  [kibuzzard-67A3E1E0]  110.28 116.18 90 top
kibuzzard-67A3E1E0#5  G***  [kibuzzard-67A3E1E0]  259 57.06 90 top
kibuzzard-67A3E1E0#6  G***  [kibuzzard-67A3E1E0]  184.64 57.06 90 top
kibuzzard-67A3E1E0#7  G***  [kibuzzard-67A3E1E0]  184.64 116.18 90 top
kibuzzard-67A3E1E0#8  G***  [kibuzzard-67A3E1E0]  259 116.18 90 top
kibuzzard-67A3E1E0#9  G***  [kibuzzard-67A3E1E0]  333.36 57.06 90 top
kibuzzard-67A3E1E0#10  G***  [kibuzzard-67A3E1E0]  35.92 57.06 90 top
kibuzzard-67A3E1FA  G***  [kibuzzard-67A3E1FA]  33.37 57.21 90 top
kibuzzard-67A3E1FA#2  G***  [kibuzzard-67A3E1FA]  107.73 57.21 90 top
kibuzzard-67A3E1FA#3  G***  [kibuzzard-67A3E1FA]  182.09 57.21 90 top
kibuzzard-67A3E1FA#4  G***  [kibuzzard-67A3E1FA]  33.37 116.33 90 top
kibuzzard-67A3E1FA#5  G***  [kibuzzard-67A3E1FA]  107.73 116.33 90 top
kibuzzard-67A3E1FA#6  G***  [kibuzzard-67A3E1FA]  182.09 116.33 90 top
kibuzzard-67A3E1FA#7  G***  [kibuzzard-67A3E1FA]  330.81 57.21 90 top
kibuzzard-67A3E1FA#8  G***  [kibuzzard-67A3E1FA]  330.81 116.33 90 top
